# Altium PCB HYPNOSIA_controller_V1.PcbDoc (part 1 of 2)
Units mm, origin at the board's own origin, x right, y up, seen from the top; angles counter-clockwise.
Board outline 120 x 66 mm, 4 copper layers (Top Layer, Internal Plane 1, Internal Plane 2, Bottom Layer), stack 1.57 mm thick; 120 components, 131 nets, 566 pads, 166 vias.
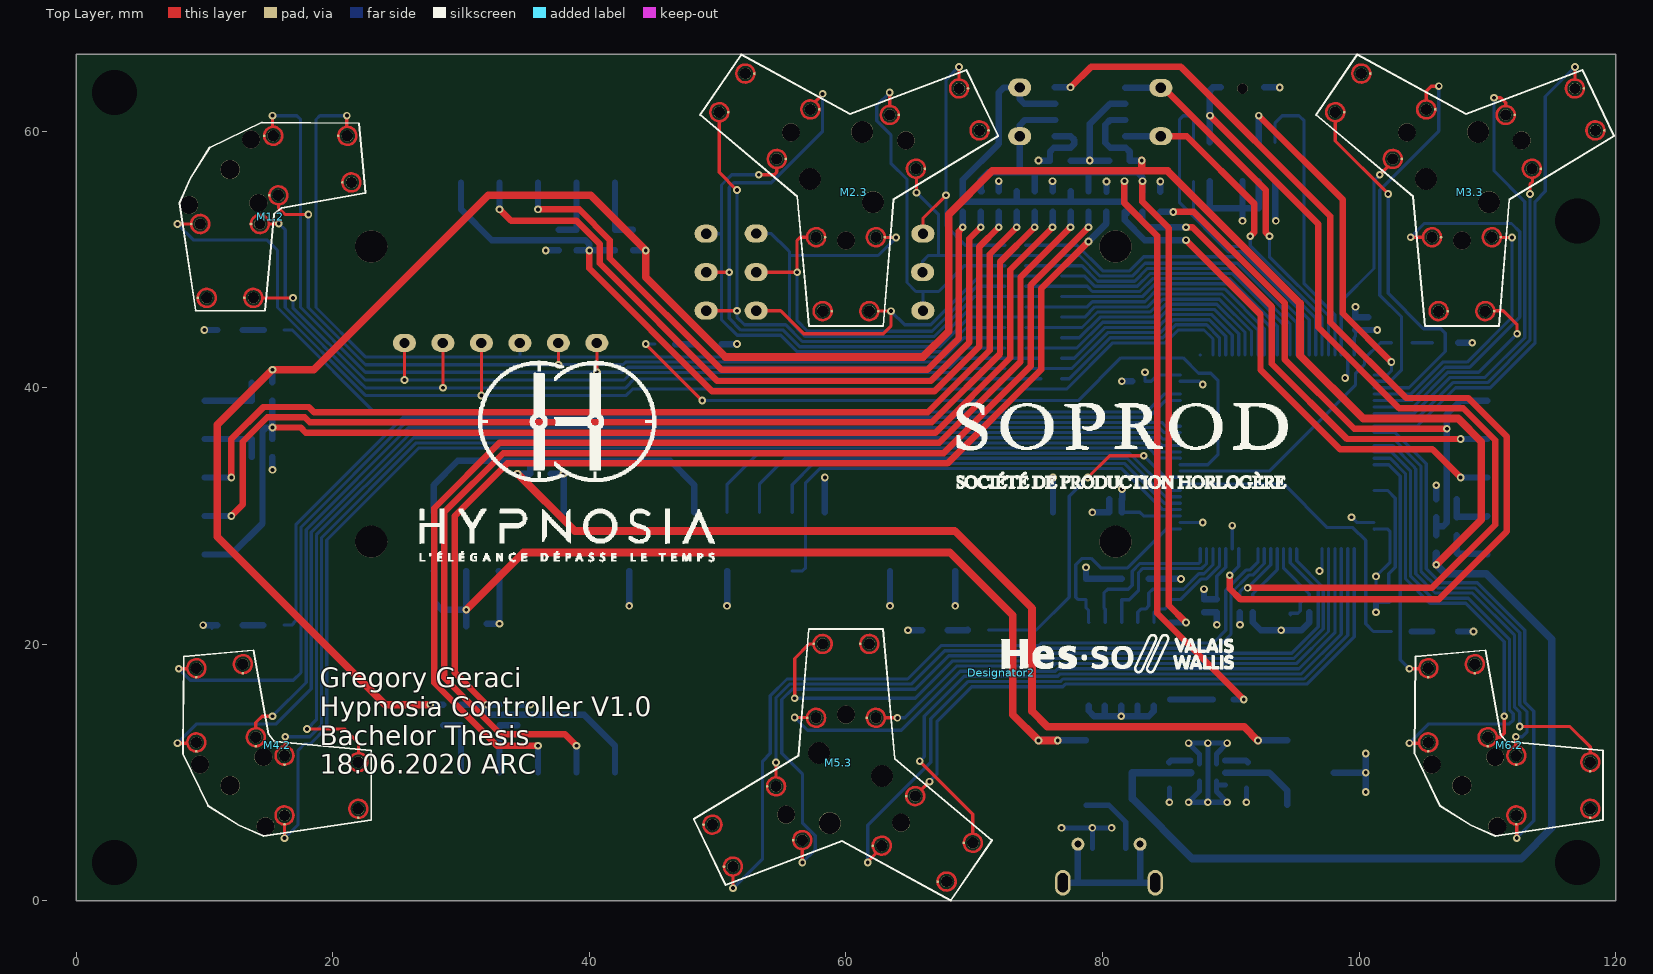
[diagram p0: Top Layer view]
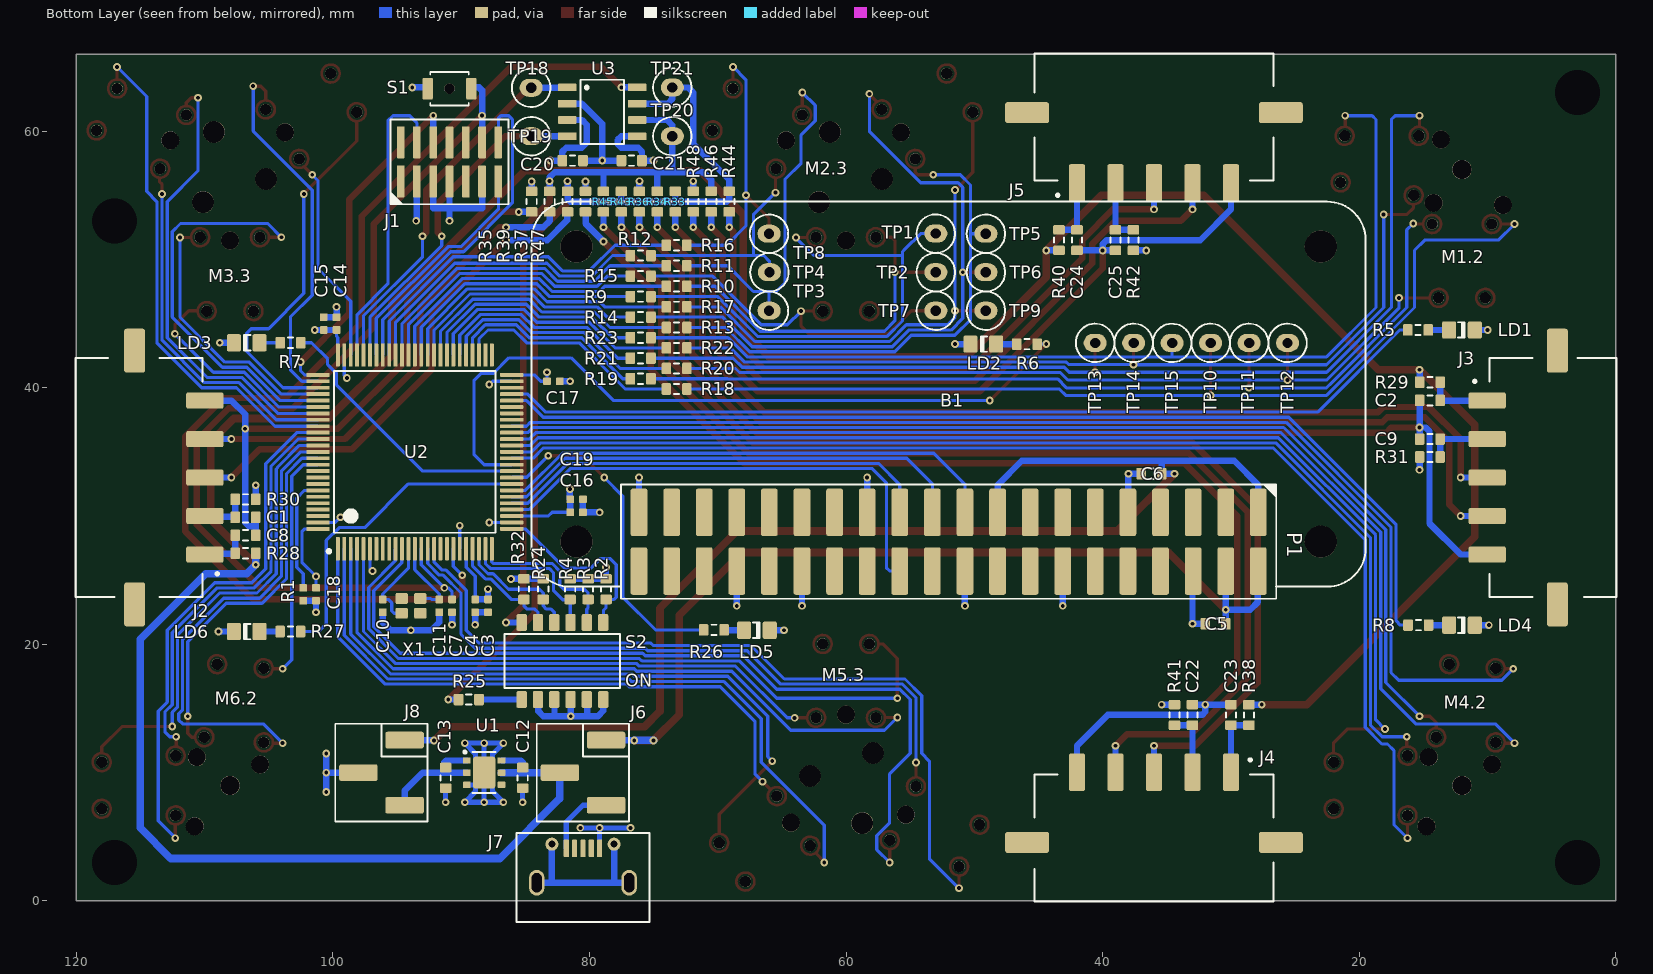
[diagram p1: Bottom Layer view, seen from below]
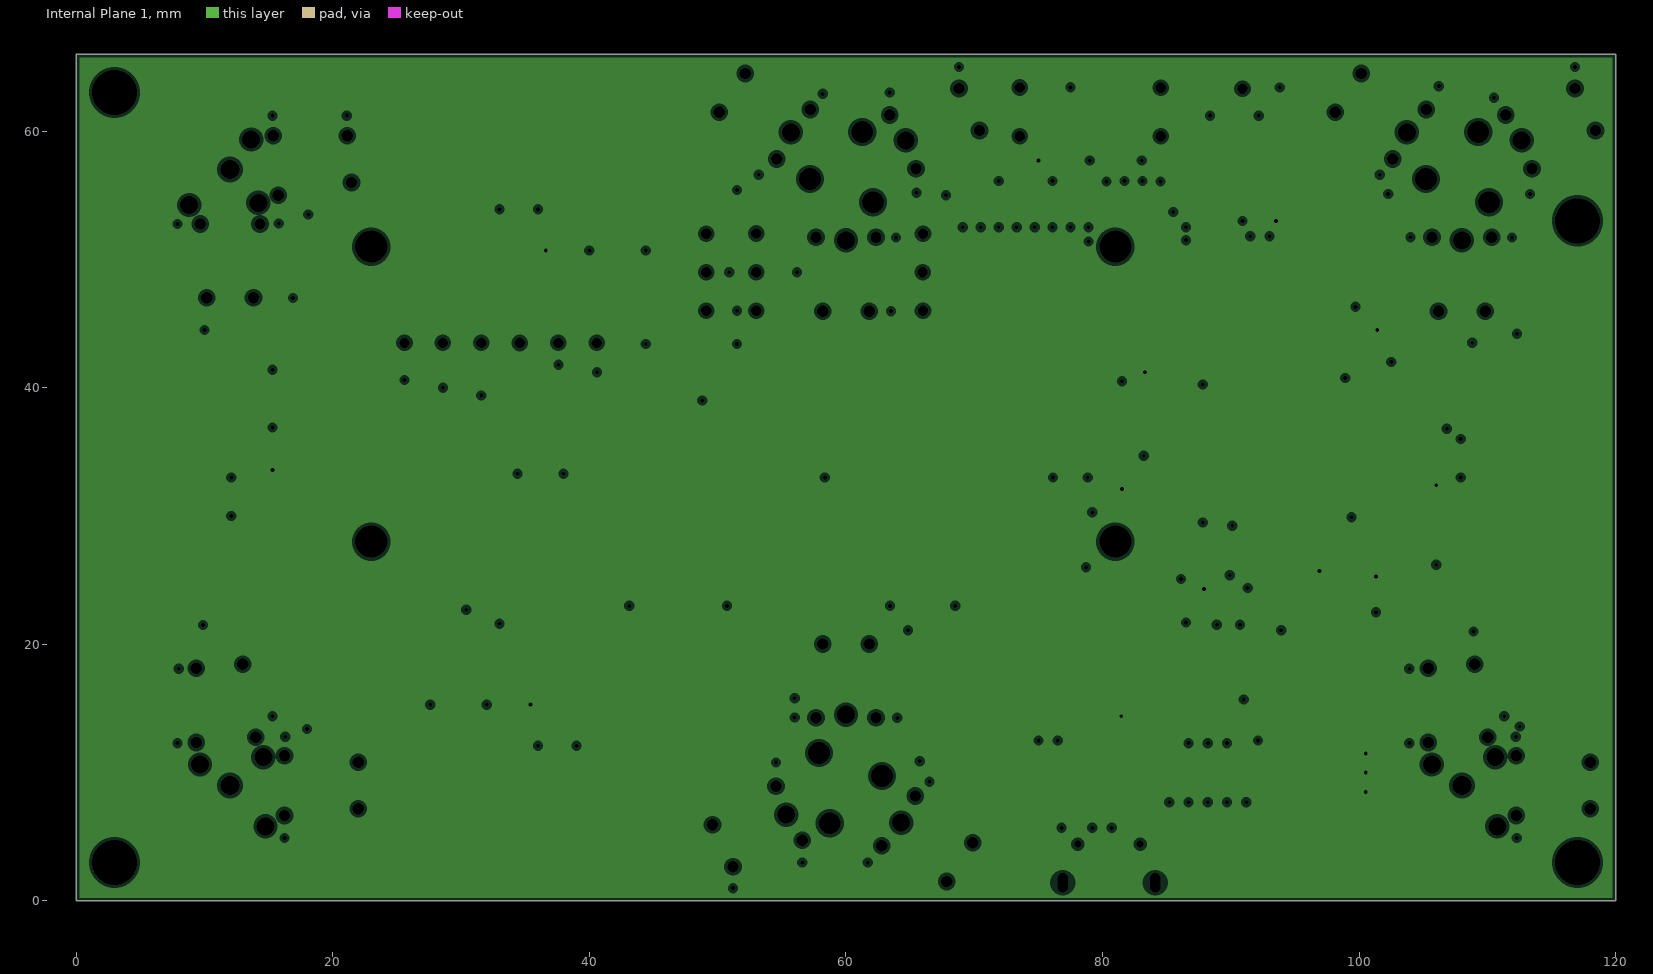
[diagram p2: Internal Plane 1, clearances drawn from the general rule]
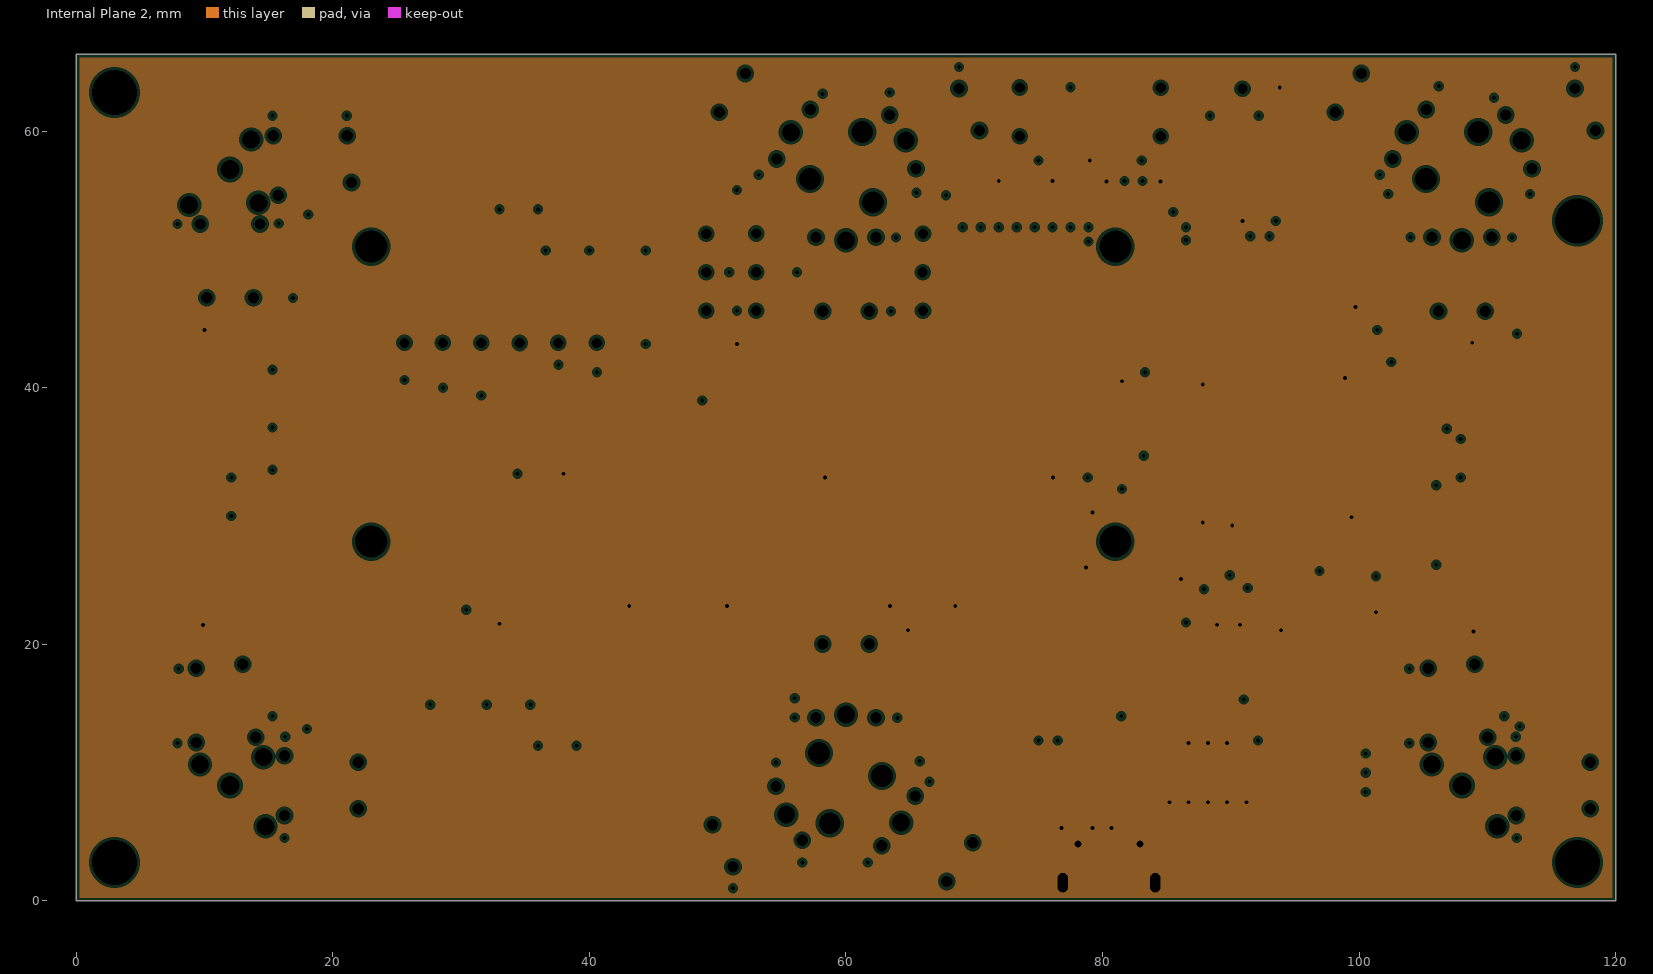
[diagram p3: Internal Plane 2, clearances drawn from the general rule]
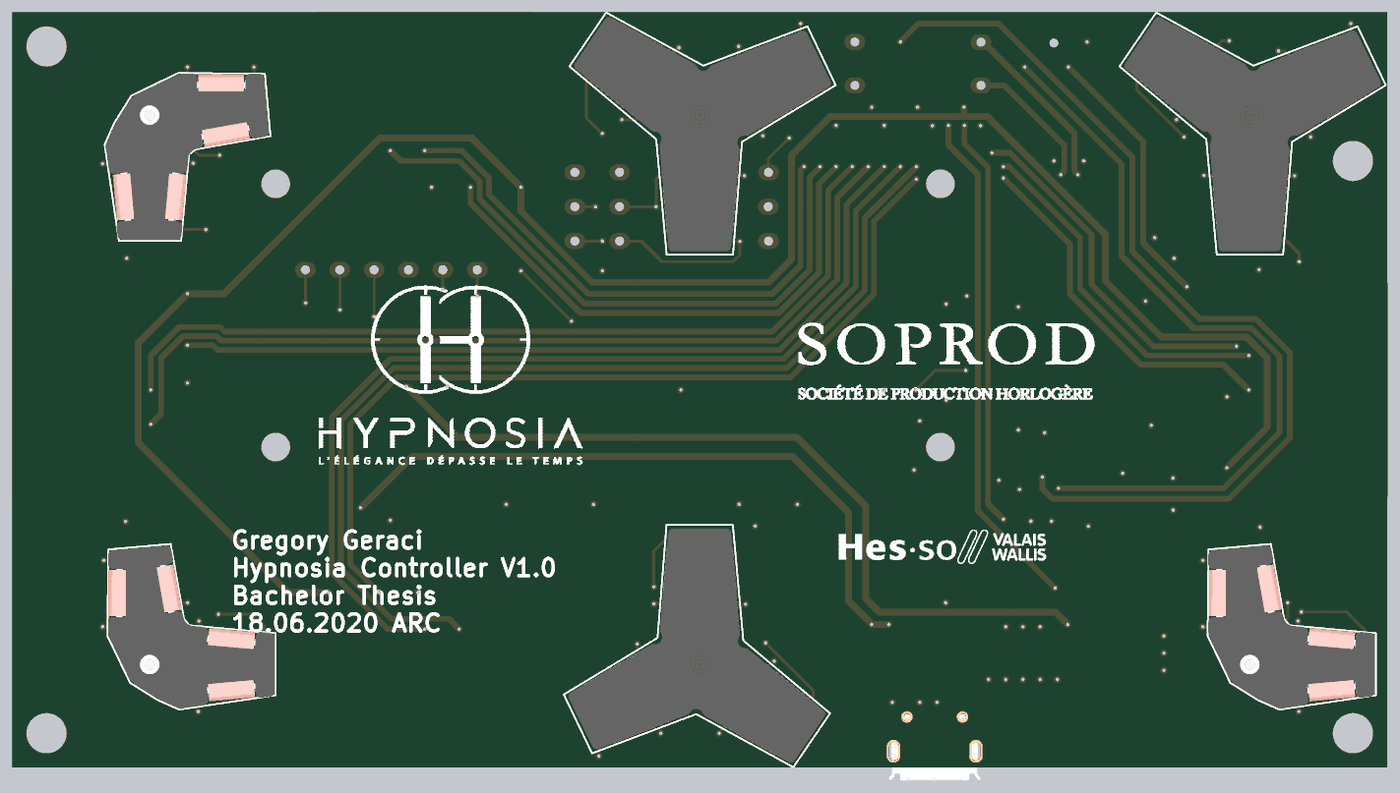
[diagram p5: 3D render of the assembled board from above, using the file's embedded part models]
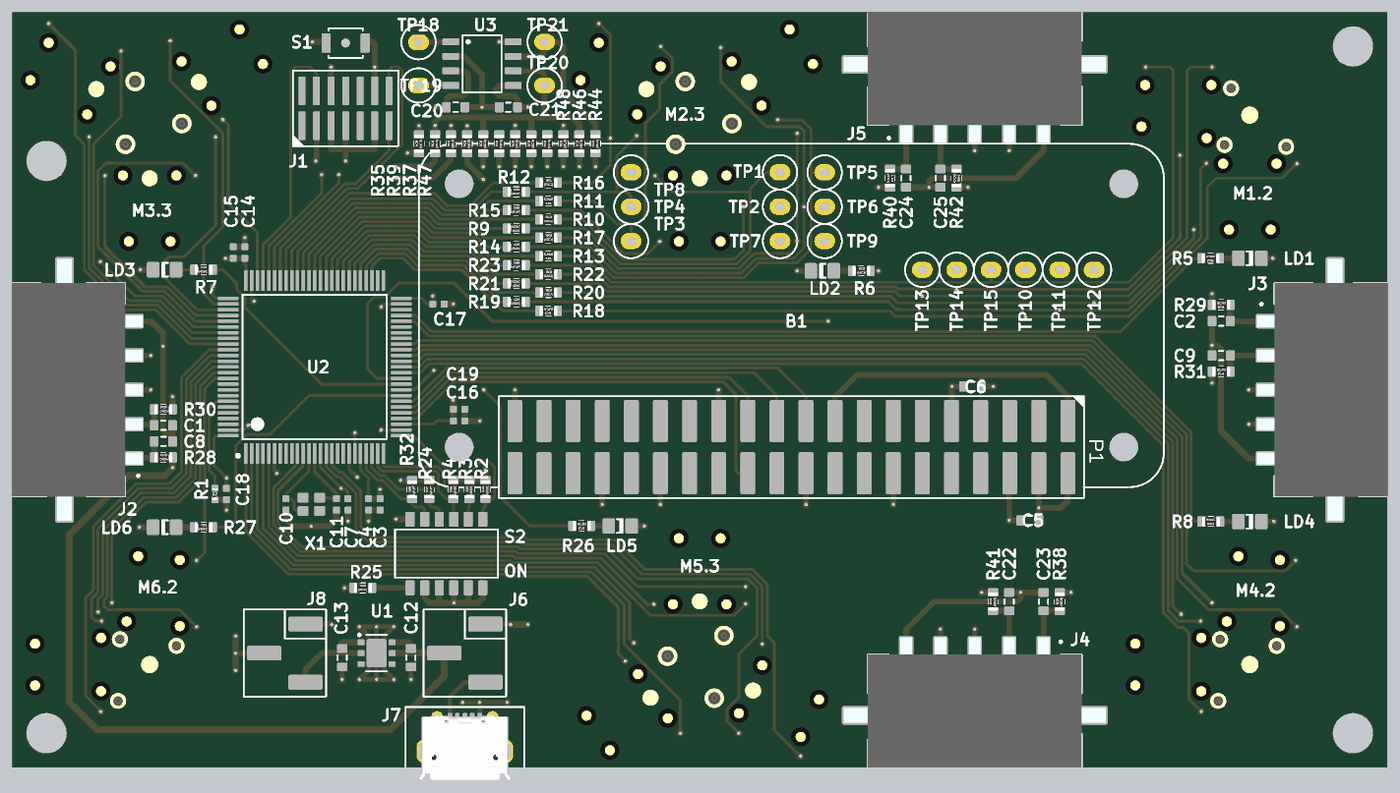
[diagram p6: 3D render of the assembled board from below, using the file's embedded part models]

## Layer stack, top to bottom
Top Solder: solder mask 0.1, Solder Resist, Dk 3.5
Top Layer: signal copper 0.035
Dielectric 1: core 0.36, FR-4, Dk 4.2
Internal Plane 1: plane copper 0.035, net 3v3
Dielectric 3: prepreg 0.71, Dk 4.2
Internal Plane 2: plane copper 0.035, net GND
Dielectric 2: core 0.36, Dk 4.2
Bottom Layer: signal copper 0.035
Bottom Solder: solder mask 0.1, Solder Resist, Dk 3.5

## Board outline
0,0 0,66 120,66 120,0

## Design rules (kind name [scope] priority, off if disabled: settings)
AcuteAngle [All] p1: minimum=9.00000000000000E+0001 checktracksonly=TRUE
AssemblyTestPointUsage [All] p1 off:
AssemblyTestpoint [All] p1 off: testpointundercomponent=TRUE minsize=1.016 maxsize=2.54 preferedsize=1.524 minholesize=0 maxholesize=1.016 preferedholesize=0.813 testpointgrid=0.025 usegrid=TRUE gridtolerance=0 allowsidetop=TRUE allowsidebottom=TRUE
BoardOutlineClearance [All] p1: gap=0.25 ignorepadtopadclearanceinfootprint=FALSE
Clearance [All] p1: gap=0.15 ignorepadtopadclearanceinfootprint=FALSE
ComponentClearance [All] p1: gap=0.25 collisioncheckmode=3 verticalgap=0.25 showdistances=FALSE
DiffPairsRouting [All] p1 off: maxlimit=0.254 minlimit=0.254 mostfreqgap=0.254 toplayer_minwidth=0.381 toplayer_maxwidth=0.381 toplayer_prefwidth=0.381 bottomlayer_minwidth=0.381 bottomlayer_maxwidth=0.381 bottomlayer_prefwidth=0.381 maxuncoupledlength=12.7
FabricationTestPointUsage [All] p1 off: valid=0 allowmultiple=FALSE
FabricationTestpoint [All] p1 off: side=3 testpointundercomponent=TRUE minsize=1.016 maxsize=2.54 preferedsize=1.524 minholesize=0 maxholesize=1.016 preferedholesize=0.813 testpointgrid=0.025 allowsidetop=TRUE allowsidebottom=TRUE usegrid=TRUE gridtolerance=0
FanoutControl Fanout_BGA [IsBGA] p1 off: bgadir=Out bgaviamode=Centered fanoutstyle=Auto fanoutdirection=Alternating viagrid=0.025 // Fanout_BGA (Default Rule)
FanoutControl Fanout_LCC [IsLCC] p2 off: bgadir=Out bgaviamode=Centered fanoutstyle=Auto fanoutdirection=Alternating viagrid=0.025 // Fanout_LCC (Default Rule)
FanoutControl Fanout_SOIC [IsSOIC] p3 off: bgadir=Out bgaviamode=Centered fanoutstyle=Auto fanoutdirection=Alternating viagrid=0.025 // Fanout_SOIC (Default Rule)
FanoutControl Fanout_Small [(CompPinCount < 5)] p4 off: bgadir=Out bgaviamode=Centered fanoutstyle=Auto fanoutdirection=OutThenIn viagrid=0.025 // Fanout_Small (Default Rule)
FanoutControl Fanout_Default [All] p5 off: bgadir=Out bgaviamode=Centered fanoutstyle=Auto fanoutdirection=Alternating viagrid=0.025 // Fanout_Default (Default Rule)
Height [All] p1 off: minheight=0 maxheight=25.4 prefheight=12.7
HoleSize [All] p1: absolutevalues=TRUE maxlimit=3 minlimit=0.35 maxpercent=80.000 minpercent=20.000
HoleToHoleClearance [All] p1: gap=0.25 allowstackedmicrovias=TRUE
MinimumAnnularRing [All] p1: minimumring=0.175
MinimumSolderMaskSliver [All] p1 off: minsoldermaskwidth=0
PlaneClearance [All] p1: clearance=0.25
PlaneConnect [All] p1: planeconnectstyle=Relief reliefexpansion=0.5 reliefentries=4 reliefconductorwidth=0.25 reliefairgap=0.25
PolygonConnect [All] p1: connectstyle=Relief reliefconductorwidth=0.25 reliefentries=4 polygonreliefangle="90 Angle" airgapwidth=0.25
RoutingCorners [All] p1 off: cornerstyle=45-Degree minsetback=2.5 maxsetback=2.5
RoutingLayers [All] p1 off: top layer_v5=TRUE bottom layer_v5=TRUE
RoutingPriority [All] p1 off: routingpriority=0
RoutingTopology [All] p1 off: topology=Shortest
RoutingVias [All] p1: holewidth=0.25 width=0.6 viastyle="Through Hole" minholewidth=0.15 minwidth=0.5 maxholewidth=0.9 maxwidth=1.5
SilkToBoardRegionClearance [All] p1 off:
SilkToSilkClearance [All] p1 off: silktosilkclearance=0
SilkToSolderMaskClearance [IsPad] p1 off: minsilkscreentomaskgap=0 clearancetoexposedcopper=TRUE
SolderMaskExpansion [All] p1: expansion=0
Width [All] p1: maxlimit=4 minlimit=0.15 preferedwidth=0.25
6 further rules are at their usual default settings.

## Classes and differential pairs
component class HYPNOSIA_controller_V1: B1 C1 C2 C3 C4 C5 C6 C7 C8 C9 C10 C11 C12 C13 C14 C15 C16 C17 C18 C19 C20 C21 C22 C23 C24 C25 J1 J2 J3 J4 J5 J6 J7 J8 R1 R2 R3 R4 R24 R25 R28 R29 R30 R31 R32 R33 R34 R35 R36 R37 R38 R39 R40 R41 R42 R43 R44 R45 R46 R47 R48 S1 S2 TP18 TP19 TP20 TP21 U1 U2 U3 X1
component class HYPNOSIA_controller_V1bis: LD1 LD2 LD3 LD4 LD5 LD6 M1.2 M2.3 M3.3 M4.2 M5.3 M6.2 R5 R6 R7 R8 R9 R10 R11 R12 R13 R14 R15 R16 R17 R18 R19 R20 R21 R22 R23 R26 R27 TP1 TP2 TP3 TP4 TP5 TP6 TP7 TP8 TP9 TP10 TP11 TP12 TP13 TP14 TP15

## Components (designator, comment, footprint, x,y, rotation, side; value= is the part's Value field where it differs from the comment)
B1 "Raspberry Pi Zero Socket" "Raspberry Pi Zero Socket SMD" 52,28 r0 bottom locked
C1 "" "CAPACITOR 1608 REFLOW" 106.8,29.9 r0 bottom value=100nF
C2 "" "CAPACITOR 1608 REFLOW" 14.5,39.008 r180 bottom value=100nF
C3 "" "CAPACITOR 1005 REFLOW" 87.9,23 r90 bottom value=10nF
C4 "" "CAPACITOR 1005 REFLOW" 88.9,23 r90 bottom value=1uF
C5 "" "CAPACITOR 1608 REFLOW" 31.2,21.6 r0 bottom value=100nF
C6 "" "CAPACITOR 1608 REFLOW" 36.2,33.3 r180 bottom value=100nF
C7 "" "CAPACITOR 1005 REFLOW" 90.7,23 r90 bottom value=100nF
C8 "" "CAPACITOR 1608 REFLOW" 106.8,28.5 r0 bottom value=100nF
C9 "" "CAPACITOR 1608 REFLOW" 14.5,36 r180 bottom value=100nF
C10 "" "CAPACITOR 1005 REFLOW" 96.1,23 r270 bottom value=12pF
C11 "" "CAPACITOR 1005 REFLOW" 91.7,23 r270 bottom value=12pF
C12 "" "CAPACITOR 1608 REFLOW" 85.2,9.6 r90 bottom value=10uF
C13 "" "CAPACITOR 1608 REFLOW" 91.2,9.6 r90 bottom value=10uF
C14 "" "CAPACITOR 1005 REFLOW" 99.7,45 r270 bottom value=100nF
C15 "" "CAPACITOR 1005 REFLOW" 100.7,45 r270 bottom value=4.7uF
C16 "" "CAPACITOR 1005 REFLOW" 81,30.286 r0 bottom value=100nF
C17 "" "CAPACITOR 1005 REFLOW" 82.8,40.5 r0 bottom value=100nF
C18 "" "CAPACITOR 1005 REFLOW" 101.3,23.9 r90 bottom value=100nF
C19 "" "CAPACITOR 1005 REFLOW" 81,31.3 r0 bottom value=4.7uF
C20 "" "CAPACITOR 1608 REFLOW" 81.3,57.7 r0 bottom value=100nF
C21 "" "CAPACITOR 1608 REFLOW" 76.7,57.699 r180 bottom value=100nF
C22 "" "CAPACITOR 1608 REFLOW" 33,14.5 r270 bottom value=100nF
C23 "" "CAPACITOR 1608 REFLOW" 30,14.5 r270 bottom value=100nF
C24 "" "CAPACITOR 1608 REFLOW" 42,51.5 r90 bottom value=100nF
C25 "" "CAPACITOR 1608 REFLOW" 39,51.5 r90 bottom value=100nF
Designator2 "Comment" "HES-SO_3 Top Layer" 72.1,17.8 r0 top
J1 "*" "PinHeader2x7 P1.27 SMD H5.9" 90.9,57.6 r180 bottom
J2 "43650-0512" "MOLEX 43650-0512" 115,33 r270 bottom locked
J3 "43650-0512" "MOLEX 43650-0512" 5,33 r90 bottom
J4 "43650-0512" "MOLEX 43650-0512" 36,5 r180 bottom locked
J5 "43650-0512" "MOLEX 43650-0512" 36,61 r0 bottom locked
J6 "*" "PinHeader1x3 P2.54 A SMD" 80.5,10.001 r270 bottom
J7 "USB-MICRO-B" "USB-MICRO-B HIROSE ZX62D-B-5PA8" 80.5,4.1 r180 bottom
J8 "*" "PinHeader1x3 P2.54 A SMD" 96.2,10 r270 bottom
LD1 "TBR" "LED 2012 REFLOW" 12,44.5 r0 bottom value=Blue
LD2 "TBR" "LED 2012 REFLOW" 49.3,43.4 r180 bottom value=Blue
LD3 "TBR" "LED 2012 REFLOW" 106.7,43.5 r180 bottom value=Blue
LD4 "TBR" "LED 2012 REFLOW" 12,21.5 r0 bottom value=Blue
LD5 "TBR" "LED 2012 REFLOW" 66.94,21.1 r0 bottom value=Blue
LD6 "TBR" "LED 2012 REFLOW" 106.7,21 r180 bottom value=Blue
M1.2 "GB3MV2.2" GB2MV2.1 12,57 r0 top locked
M2.3 "GB3MV2.2" GB3MV2.2 60,57 r180 top locked
M3.3 "GB3MV2.2" GB3MV2.2 108,57 r180 top locked
M4.2 "GB3MV2.2" GB2MV2.1 12,9 r90 top locked
M5.3 "GB3MV2.2" GB3MV2.2 60,9 r0 top locked
M6.2 "GB3MV2.2" GB2MV2.1 108,9 r90 top locked
R1 "DNF" "RESISTOR 1005 REFLOW" 102.3,23.9 r90 bottom value=0
R2 "" "RESISTOR 1608 REFLOW" 78.7,24.3 r90 bottom value=10k
R3 "" "RESISTOR 1608 REFLOW" 80.1,24.3 r90 bottom value=10k
R4 "" "RESISTOR 1608 REFLOW" 81.5,24.3 r90 bottom value=10k
R5 "TBR" "RESISTOR 1608 REFLOW" 15.424,44.5 r0 bottom value=270
R6 "TBR" "RESISTOR 1608 REFLOW" 45.9,43.4 r180 bottom value=270
R7 "TBR" "RESISTOR 1608 REFLOW" 103.3,43.5 r180 bottom value=270
R8 "TBR" "RESISTOR 1608 REFLOW" 15.4,21.5 r0 bottom value=270
R9 "DNF" "RESISTOR 1608 REFLOW" 76,47.1 r0 bottom value=0
R10 "DNF" "RESISTOR 1608 REFLOW" 73.2,47.9 r180 bottom value=0
R11 "DNF" "RESISTOR 1608 REFLOW" 73.2,49.5 r0 bottom value=0
R12 "DNF" "RESISTOR 1608 REFLOW" 76,50.3 r180 bottom value=0
R13 "DNF" "RESISTOR 1608 REFLOW" 73.2,44.692 r0 bottom value=0
R14 "DNF" "RESISTOR 1608 REFLOW" 76,45.5 r180 bottom value=0
R15 "DNF" "RESISTOR 1608 REFLOW" 76,48.7 r180 bottom value=0
R16 "DNF" "RESISTOR 1608 REFLOW" 73.2,51.1 r180 bottom value=0
R17 "DNF" "RESISTOR 1608 REFLOW" 73.2,46.3 r180 bottom value=0
R18 "DNF" "RESISTOR 1608 REFLOW" 73.2,39.9 r0 bottom value=0
R19 "DNF" "RESISTOR 1608 REFLOW" 76,40.7 r180 bottom value=0
R20 "DNF" "RESISTOR 1608 REFLOW" 73.2,41.5 r180 bottom value=0
R21 "DNF" "RESISTOR 1608 REFLOW" 76,42.3 r0 bottom value=0
R22 "DNF" "RESISTOR 1608 REFLOW" 73.2,43.1 r180 bottom value=0
R23 "DNF" "RESISTOR 1608 REFLOW" 76,43.892 r180 bottom value=0
R24 "" "RESISTOR 1608 REFLOW" 83.6,24.3 r90 bottom value=10k
R25 "" "RESISTOR 1608 REFLOW" 89.4,15.7 r180 bottom value=120
R26 "TBR" "RESISTOR 1608 REFLOW" 70.3,21.127 r0 bottom value=270
R27 "TBR" "RESISTOR 1608 REFLOW" 103.3,21 r180 bottom value=270
R28 "DNF" "RESISTOR 1608 REFLOW" 106.8,27.1 r180 bottom value=0
R29 "DNF" "RESISTOR 1608 REFLOW" 14.5,40.43 r0 bottom value=0
R30 "DNF" "RESISTOR 1608 REFLOW" 106.8,31.3 r180 bottom value=0
R31 "DNF" "RESISTOR 1608 REFLOW" 14.5,34.6 r0 bottom value=0
R32 "" "RESISTOR 1608 REFLOW" 85.1,24.3 r90 bottom value=10k
R33 "DNF" "RESISTOR 1608 REFLOW" 73.3,54.5 r90 bottom value=0
R34 "DNF" "RESISTOR 1608 REFLOW" 74.7,54.5 r90 bottom value=0
R35 "DNF" "RESISTOR 1608 REFLOW" 84.5,54.5 r90 bottom value=0
R36 "DNF" "RESISTOR 1608 REFLOW" 76.1,54.5 r90 bottom value=0
R37 "DNF" "RESISTOR 1608 REFLOW" 81.7,54.5 r90 bottom value=0
R38 "DNF" "RESISTOR 1608 REFLOW" 28.6,14.5 r90 bottom value=0
R39 "DNF" "RESISTOR 1608 REFLOW" 83.1,54.5 r90 bottom value=0
R40 "DNF" "RESISTOR 1608 REFLOW" 43.4,51.5 r270 bottom value=0
R41 "DNF" "RESISTOR 1608 REFLOW" 34.4,14.5 r90 bottom value=0
R42 "DNF" "RESISTOR 1608 REFLOW" 37.6,51.5 r270 bottom value=0
R43 "DNF" "RESISTOR 1608 REFLOW" 77.5,54.5 r90 bottom value=0
R44 "DNF" "RESISTOR 1608 REFLOW" 69.1,54.5 r90 bottom value=0
R45 "DNF" "RESISTOR 1608 REFLOW" 78.9,54.5 r90 bottom value=0
R46 "DNF" "RESISTOR 1608 REFLOW" 70.5,54.5 r90 bottom value=0
R47 "DNF" "RESISTOR 1608 REFLOW" 80.3,54.5 r90 bottom value=0
R48 "DNF" "RESISTOR 1608 REFLOW" 71.9,54.5 r90 bottom value=0
S1 "*" "Push Button C2.5X3.0 OMRON B3U-1000P(M)-B" 90.9,63.3 r180 bottom
S2 "*" "DIP SWITCH MULTICOMP  MCDHN-06F" 82.1,18.7 r0 bottom
TP1 "*" "Test Point Keystone Miniature RED" 53,52.013 r90 bottom
TP2 "*" "Test Point Keystone Miniature RED" 53,49 r270 bottom
TP3 "*" "Test Point Keystone Miniature RED" 66,46 r270 bottom
TP4 "*" "Test Point Keystone Miniature RED" 65.97,49 r270 bottom
TP5 "*" "Test Point Keystone Miniature RED" 49.1,52 r90 bottom
TP6 "*" "Test Point Keystone Miniature RED" 49.1,49 r270 bottom
TP7 "*" "Test Point Keystone Miniature RED" 53,46 r90 bottom
TP8 "*" "Test Point Keystone Miniature RED" 66,52 r270 bottom
TP9 "*" "Test Point Keystone Miniature RED" 49.1,46 r90 bottom
TP10 "*" "Test Point Keystone Miniature RED" 31.585,43.492 r270 bottom
TP11 "*" "Test Point Keystone Miniature RED" 28.585,43.492 r90 bottom
TP12 "*" "Test Point Keystone Miniature RED" 25.593,43.492 r90 bottom
TP13 "*" "Test Point Keystone Miniature RED" 40.585,43.492 r270 bottom
TP14 "*" "Test Point Keystone Miniature RED" 37.585,43.492 r270 bottom
TP15 "*" "Test Point Keystone Miniature RED" 34.585,43.488 r270 bottom
TP18 "*" "Test Point Keystone Miniature RED" 84.536,63.374 r270 bottom
TP19 "*" "Test Point Keystone Miniature RED" 84.536,59.599 r90 bottom
TP20 "*" "Test Point Keystone Miniature RED" 73.536,59.599 r90 bottom
TP21 "*" "Test Point Keystone Miniature RED" 73.536,63.394 r270 bottom
U1 "LD39200PU" "DFN6 P0.95 T1.75X2.50 C3.0X3.0 H1.0" 88.2,10.001 r180 bottom
U2 "STM32F072V8T6" "LQFP100 P0.5 C14.0X14.0 H1.6" 93.6,35 r90 bottom
U3 "=Value" "SO8 P1.27 C4.0X5.0 H1.75" 79,61.5 r180 bottom
X1 "16MHz" "Crystal C2.5x2 Seiko Epson FA-128" 93.9,23 r0 bottom

## Footprints (in the part's own frame and the unit in brackets; to place one, negate y for a bottom-side part, rotate by r counter-clockwise, add the part's x,y. Pads: shape width x height; smd on the part's side, far side on the other; paste and mask are expansions set on the pad)
"CAPACITOR 1005 REFLOW" [mm] "Capacitor SMD 1.0x0.5mm (0402-imperial)"
  rrect25% 0.6x0.6 smd: 1(-0.5,0) 2(0.5,0)
  body extent -0.5,-0.25 0.5,0.25, height 0.5
"CAPACITOR 1608 REFLOW" [mm] "Capacitor SMD 1.6x0.8mm (0603-imperial)"
  rrect25% 0.75x0.9 smd: 1(-0.8,0) 2(0.8,0)
  silkscreen extent -0.2,-0.4 0.2,0.4, body extent -0.8,-0.4 0.8,0.4, height 0.8
"Crystal C2.5x2 Seiko Epson FA-128" [mm] "Crystal Seiko Epson FA-128, Case 2.0x1.6, Height 0.5"
  rrect25% 0.95x0.85 smd: 1(-0.725,-0.575) 2(0.725,-0.575) 3(0.725,0.575) 4(-0.725,0.575)
  body extent -1,-0.8 1,0.8, height 0.5
"DFN6 P0.95 T1.75X2.50 C3.0X3.0 H1.0" [mm] "DFN6 P0.95 T1.75X2.50 C3.0X3.0 H1.0"
  rrect25% 0.6x0.5 smd: 1(-1.35,0.95) 2(-1.35,0) 3(-1.35,-0.95) 4(1.35,-0.95) 5(1.35,0) 6(1.35,0.95)
  rrect25% 1.75x2.5 smd: 7(0,0)
  silkscreen extent -1.6,-1.6 0.9,1.7, body extent -1.5,-1.5 1.5,1.5, height 1.1
"DIP SWITCH MULTICOMP  MCDHN-06F" [mm] "DIP SWITCH MULTICOMP  MCDHN-06F, P1.27"
  rrect25% 0.8x1.3 smd: 1(-3.175,-3) 2(-3.175,3) 3(-1.905,-3) 4(-1.905,3) 5(-0.635,-3) 6(-0.635,3) 7(0.635,-3) 8(0.635,3) 9(1.905,-3) 10(1.905,3) 11(3.175,-3) 12(3.175,3)
  silkscreen extent -4.5,-2.1 4.5,2.1, body extent -4.5,-2.25 4.5,2.25, height 1.46
GB2MV2.1 [mm] "Soprod Gear Box, 2 motors 102.02.xxx, Option B"
  round 0.88 hole 0.88 unplated mask+0.4: 0(-2.33,-4.242) 0(-1.82,-10) 0(1.82,-10) 0(2.33,-4.242) 0(3.359,2.633) 0(3.765,-2.009) 0(9.139,2.627) 0(9.456,-1)
  round 0.2 smd: 1(-3.03,-4.242) 2(-2.52,-10) 3(1.12,-10) 4(1.63,-4.242) 5(2.659,2.633) 6(3.065,-2.009) 7(8.439,2.627) 8(8.756,-1)
  round 1.5 hole 1.5 unplated: 14(0,0)
  round 1.4 hole 1.4 unplated: A1(-3.182,-2.758) A2(1.637,2.344) A3(2.207,-2.596)
  Top Layer circle w0.2: c9.456,-1 r0.7
  Top Layer circle w0.2: c-1.82,-10 r0.7
  Top Layer circle w0.2: c1.82,-10 r0.7
  Top Layer circle w0.2: c-2.33,-4.242 r0.7
  Top Layer circle w0.2: c2.33,-4.242 r0.7
  Top Layer circle w0.2: c3.765,-2.009 r0.7
  Top Layer circle w0.2: c3.359,2.633 r0.7
  Top Layer circle w0.2: c9.139,2.627 r0.7
  silkscreen extent -3.94,-11 10.54,3.68, body extent -8.25,-13.45 13.41,8.21, height 4.4
GB3MV2.2 [mm] "Soprod Gear Box, 3 motors 103.02.xxx"
  round 0.88 hole 0.88 unplated mask+0.4: 0(-10.404,-3.049) 0(-8.808,-6.321) 0(-5.453,-0.067) 0(-3.41,-4.255) 0(-2.33,5.273) 0(-1.82,11.031) 0(1.82,11.031) 0(2.33,5.273) 0(2.784,-4.689) 0(5.39,-0.825) 0(7.843,-7.485) 0(9.878,-4.468)
  round 0.2 smd: 1(1.12,11.031) 2(-2.52,11.031) 3(-3.03,5.273) 4(1.63,5.273) 5(-11.104,-3.049) 6(-9.508,-6.321) 7(-4.11,-4.255) 8(-6.153,-0.067) 9(7.143,-7.485) 10(9.178,-4.468) 11(4.69,-0.825) 12(2.084,-4.689)
  round 1.4 hole 1.4 unplated: 14(4.295,-2.897) 16(0,5.523) 18(-4.656,-2.271)
  round 1.7 hole 1.7 unplated: 15(2.806,0.733) 17(-2.105,2.541) 19(-1.269,-2.938)
  Top Layer circle w0.2: c1.82,11.031 r0.7
  Top Layer circle w0.2: c-5.453,-0.067 r0.7
  Top Layer circle w0.2: c-10.404,-3.049 r0.7
  Top Layer circle w0.2: c-8.808,-6.321 r0.7
  Top Layer circle w0.2: c-3.41,-4.255 r0.7
  Top Layer circle w0.2: c2.784,-4.689 r0.7
  Top Layer circle w0.2: c7.843,-7.485 r0.7
  Top Layer circle w0.2: c9.878,-4.468 r0.7
  Top Layer circle w0.2: c2.33,5.273 r0.7
  Top Layer circle w0.2: c5.39,-0.825 r0.7
  Top Layer circle w0.2: c-1.82,11.031 r0.7
  Top Layer circle w0.2: c-2.33,5.273 r0.7
  silkscreen extent -11.86,-8.96 11.37,12.2, body extent -11.44,-8.57 10.95,11.89, height 5.35
"HES-SO_3 Top Layer" [mm] "HESSO LOGO 3mm on Top Layer"
  silkscreen extent 0.01,0 18.12,3
"LED 2012 REFLOW" [mm] "LED SMD 2.0x1.2mm (0805-imperial)"
  rrect25% 1.1x1.35 smd: 1(-1,0) 2(1,0)
  silkscreen extent -0.2,-0.6 0.3,0.6, body extent -1,-0.6 1,0.6, height 0.6
"LQFP100 P0.5 C14.0X14.0 H1.6" [mm] "Thin QFP, 100-Leads, Body 14x14mm, Pitch 0.5mm, IPC Medium Density"
  rrect25% 1.8x0.3 smd: 1(-7.55,6) 2(-7.55,5.5) 3(-7.55,5) 4(-7.55,4.5) 5(-7.55,4) 6(-7.55,3.5) 7(-7.55,3) 8(-7.55,2.5) 9(-7.55,2) 10(-7.55,1.5) 11(-7.55,1) 12(-7.55,0.5) 13(-7.55,0) 14(-7.55,-0.5) 15(-7.55,-1) 16(-7.55,-1.5) 17(-7.55,-2) 18(-7.55,-2.5) 19(-7.55,-3) 20(-7.55,-3.5) 21(-7.55,-4) 22(-7.55,-4.5) 23(-7.55,-5) 24(-7.55,-5.5) 25(-7.55,-6) 51(7.55,-6) 52(7.55,-5.5) 53(7.55,-5) 54(7.55,-4.5) 55(7.55,-4) 56(7.55,-3.5) 57(7.55,-3) 58(7.55,-2.5) 59(7.55,-2) 60(7.55,-1.5) 61(7.55,-1) 62(7.55,-0.5) 63(7.55,0) 64(7.55,0.5) 65(7.55,1) 66(7.55,1.5) 67(7.55,2) 68(7.55,2.5) 69(7.55,3) 70(7.55,3.5) 71(7.55,4) 72(7.55,4.5) 73(7.55,5) 74(7.55,5.5) 75(7.55,6)
  rrect25% 0.3x1.8 smd: 26(-6,-7.55) 27(-5.5,-7.55) 28(-5,-7.55) 29(-4.5,-7.55) 30(-4,-7.55) 31(-3.5,-7.55) 32(-3,-7.55) 33(-2.5,-7.55) 34(-2,-7.55) 35(-1.5,-7.55) 36(-1,-7.55) 37(-0.5,-7.55) 38(0,-7.55) 39(0.5,-7.55) 40(1,-7.55) 41(1.5,-7.55) 42(2,-7.55) 43(2.5,-7.55) 44(3,-7.55) 45(3.5,-7.55) 46(4,-7.55) 47(4.5,-7.55) 48(5,-7.55) 49(5.5,-7.55) 50(6,-7.55) 76(6,7.55) 77(5.5,7.55) 78(5,7.55) 79(4.5,7.55) 80(4,7.55) 81(3.5,7.55) 82(3,7.55) 83(2.5,7.55) 84(2,7.55) 85(1.5,7.55) 86(1,7.55) 87(0.5,7.55) 88(0,7.55) 89(-0.5,7.55) 90(-1,7.55) 91(-1.5,7.55) 92(-2,7.55) 93(-2.5,7.55) 94(-3,7.55) 95(-3.5,7.55) 96(-4,7.55) 97(-4.5,7.55) 98(-5,7.55) 99(-5.5,7.55) 100(-6,7.55)
  silkscreen extent -7.87,-6.3 6.3,6.83, body extent -7,-7 7,7, height 1.61
"MOLEX 43650-0512" [mm] "MicroFit RA HDR 5Ckt SR SMT w/SldTab"
  rrect25% 1.27x2.92 smd: 1(6,5.035) 2(3,5.035) 3(0,5.035) 4(-3,5.035) 5(-6,5.035)
  rrect25% 3.43x1.65 smd: 6(-9.885,-0.435) 7(9.885,-0.435)
  silkscreen extent -9.33,-5.03 9.33,6.1, body extent -11.44,-5.04 11.43,6.37, height 5.92
"PinHeader1x3 P2.54 A SMD" [mm] "Plug connector SMD"
  rrect25% 1.3x3 smd: 1(-2.54,1.8) 2(0,-1.8) 3(2.54,1.8)
  silkscreen extent -3.81,-3.6 3.81,3.6, body extent -3.81,-1.27 3.81,1.27, height 10.81
"PinHeader2x7 P1.27 SMD H5.9" [mm] "Plug connector"
  rrect25% 0.6x2.5 smd: 1(-3.81,-1.524) 2(-3.81,1.524) 3(-2.54,-1.524) 4(-2.54,1.524) 5(-1.27,-1.524) 6(-1.27,1.524) 7(0,-1.524) 8(0,1.524) 9(1.27,-1.524) 10(1.27,1.524) 11(2.54,-1.524) 12(2.54,1.524) 13(3.81,-1.524) 14(3.81,1.524)
  silkscreen extent -4.61,-3.31 4.6,3.3, body extent -4.44,-2.54 4.44,2.54, height 5.9
"Push Button C2.5X3.0 OMRON B3U-1000P(M)-B" [mm] "Push Button C2.5X3.0 OMRON B3U-1000P(M)-B"
  rrect25% 0.8x1.7 smd: 1(-1.7,0) 2(1.7,0)
  round 0.8 hole 0.8 unplated: 3(0,0)
  silkscreen extent -1.5,-1.3 1.5,1.3, body extent -1.5,-1.25 1.5,1.25, height 1.6
"Raspberry Pi Zero Socket SMD" [mm] "Raspberry Pi Zero Socket"
  round 2.5 hole 2.5: 0(-29,-23) 0(-29,0) 0(29,-23) 0(29,0)
  rrect25% 1.3x3.7 smd: 1(-24.13,-2.286) 2(-24.13,2.286) 3(-21.59,-2.286) 4(-21.59,2.286) 5(-19.05,-2.286) 6(-19.05,2.286) 7(-16.51,-2.286) 8(-16.51,2.286) 9(-13.97,-2.286) 10(-13.97,2.286) 11(-11.43,-2.286) 12(-11.43,2.286) 13(-8.89,-2.286) 14(-8.89,2.286) 15(-6.35,-2.286) 16(-6.35,2.286) 17(-3.81,-2.286) 18(-3.81,2.286) 19(-1.27,-2.286) 20(-1.27,2.286) 21(1.27,-2.286) 22(1.27,2.286) 23(3.81,-2.286) 24(3.81,2.286) 25(6.35,-2.286) 26(6.35,2.286) 27(8.89,-2.286) 28(8.89,2.286) 29(11.43,-2.286) 30(11.43,2.286) 31(13.97,-2.286) 32(13.97,2.286) 33(16.51,-2.286) 34(16.51,2.286) 35(19.05,-2.286) 36(19.05,2.286) 37(21.59,-2.286) 38(21.59,2.286) 39(24.13,-2.286) 40(24.13,2.286)
  silkscreen extent -32.5,-26.5 32.5,4.44, body extent -25.4,-3.43 25.4,3.43, height 8.5
"RESISTOR 1005 REFLOW" [mm] "Resistor SMD 1.0x0.5mm (0402-imperial)"
  rrect25% 0.6x0.6 smd: 1(-0.5,0) 2(0.5,0)
  body extent -0.5,-0.25 0.5,0.5, height 25
"RESISTOR 1608 REFLOW" [mm] "Resistor SMD 1.6x0.8mm (0603-imperial)"
  rrect25% 0.75x0.9 smd: 1(-0.8,0) 2(0.8,0)
  silkscreen extent -0.2,-0.4 0.2,0.4, body extent -0.77,-0.42 0.78,0.43, height 0.45
"SO8 P1.27 C4.0X5.0 H1.75" [mm] "8-Pin Small Outline Integrated Circuit 1.27 mm Pitch, IPC Medium Density"
  rrect25% 1.45x0.6 smd: 1(-2.725,1.905) 2(-2.725,0.635) 3(-2.725,-0.635) 4(-2.725,-1.905) 5(2.725,-1.905) 6(2.725,-0.635) 7(2.725,0.635) 8(2.725,1.905)
  silkscreen extent -1.7,-2.5 1.7,2.5, body extent -2,-2.5 2,2.5, height 1.76
"Test Point Keystone Miniature RED" [mm] "Test Point Keystone Miniature RED"
  oval 1.4x1.8 hole 0.8 mask+0: 1(0,0)
  silkscreen extent -1.5,-1.5 1.5,1.5, body extent -1.25,-1.25 1.25,1.25, height 4.99
"USB-MICRO-B HIROSE ZX62D-B-5PA8" [mm] "USB-MICRO-B HIROSE nr. ZX62D-B-5PA8"
  rrect25% 0.4x1.35 smd: 1(-1.3,0) 2(-0.65,0) 3(0,0) 4(0.65,0) 5(1.3,0)
  round 1.016 hole 0.55: 6(2.425,0.325) 9(-2.425,0.325)
  oval 1.2x2 hole 0.8 slot 1.5 at 90 deg: 7(3.6,-2.675) 8(-3.6,-2.675)
  silkscreen extent -5.18,-5.72 5.18,1.2, body extent -4.05,-5.25 4.05,0.55, height 2.79

## Part data
B1: "Small single-board computer"
C1 C2 C3 C4 C5 C6 C7 C8 C9 C10 C11 C12 C13 C14 C15 C16 C17 C18 C19 C20 C21 C22 C23 C24 C25: library part Capacitor, "Capacitor"
J1: library part PinHeader2x7, "Plug connector"
J2 J3 J4 J5: library part "MOLEX 43650-0512", "MicroFit RA HDR 5Ckt SR SMT w/SldTab", Manufacturer=Molex, Mouser No=538-43650-0512
J6 J8: library part PinHeader1x3, "Plug connector"
J7: library part "USB-MICRO-B HIROSE ZX62D-B-5PA8", "USB-MICRO-B HIROSE ZX62D-B-5PA8"
LD1 LD2 LD3 LD4 LD5 LD6: library part LED, "LED generic"
M1.2 M4.2 M6.2: library part GB2MV2.1, "Soprod Gear Box, 2 motors 102.02.xxx"
M2.3 M3.3 M5.3: "Soprod Gear Box, 3 motors 103.02.xxx"
R1 R2 R3 R4 R5 R6 R7 R8 R9 R10 R11 R12 R13 R14 R15 R16 R17 R18 R19 R20 R21 R22 R23 R24 R25 R26 R27 R28 R29 R30 R31 R32 R33 R34 R35 R36 R37 R38 R39 R40 R41 R42 R43 R44 R45 R46 R47 R48: library part Resistor, "Resistor"
S1: library part "Push Button 2Pins", "Push Button, 2 pins"
S2: library part "DIP Switch 6Pos", "MULTICOMP  MCDHN-06F"
TP1 TP2 TP3 TP4 TP5 TP6 TP7 TP8 TP9 TP10 TP11 TP12 TP13 TP14 TP15 TP18 TP19 TP20 TP21: library part "Test Point", "Test Point"
U1: library part LD39200, "2 A high PSRR ultra low drop linear regulator with reverse current protection", Manufacturer=ST
U2: "Arm-based 32-bit MCU, up to 128 KB Flash, crystal-less USB FS 2.0, CAN, 12 timers, ADC, DAC & comm. interfaces, 2.0 - 3.6 V", Manufacturer=ST, Mouser No=511-STM32F072V8T6
U3: library part MCP2542WFD-E/SN, "CAN FD Transceiver with Wake-Up Pattern (WUP) Option"
X1: library part "Crystal C2.5x2 Seiko Epson FA-128", "Crystal C2.5x2 Seiko Epson FA-128"

## Free pads (board coordinates)
  round 3 hole 3.5: 0(3,3) 0(3,63) 0(117,3) 0(117,53)

## Via types
v1: diameter 0.6, hole 0.3, Top Layer to Bottom Layer, tented both sides, 166 vias

## Nets (pads, with @x,y where several pads share a name; then routed paths per layer and width w, separated by ;. In a path a pad name is that pad's centre, name@x,y a point inside that pad or via, vN(x,y) a via of type N, cw(c..) or ccw(c..) an arc to the next point about the centre after c; other vN are vias at no path point)
3v3: C3.2 C4.2 C14.2 C15.2 C16.2 C17.2 C18.2 C19.2 C21.2 J1.3 J8.2 R30.2 R31.2 R41.2 R42.2 S2.2 S2.4 S2.6 S2.8 S2.10 U2.6 U2.21 U2.28 U2.50 U2.75 U2.100 U3.5 | length 55.1
  Bottom Layer w0.25: C16.2@81.514,30.3 82.893,30.3 83.193,30 U2.28@86.05,30 ; v1(83.3,41.2) C17.2@83.3,40.5 83.8,40.5 84.3,41 U2.50@86.05,41 ; C4.2@88.9,23.5 88.9,25.3 89.6,26 U2.21@89.6,27.45 ; v1(96.9,25.714) 97.1,25.914 U2.6@97.1,27.45 ; U2.75@99.6,42.55 99.6,43.9 99.7,44 C14.2@99.7,44.5 ; C15.2@100.7,44.5 C15.2@100.704,44.496 ; U2.100@101.15,29 U2.100@101.175,28.975 ; U2.100@101.175,29 102.179,29 102.4,28.779 102.4,26.4 v1(101.3,25.3) C18.2@101.3,24.35 ; v1@101.396,44.496 v1(101.4,44.492)
  Bottom Layer w0.5: v1(15.3,33.6) R31.2@15.3,34.6 ; R41.2@34.4,15.3 v1(35.4,15.3) ; v1(36.6,50.7) R42.2@37.6,50.7 ; v1(75,57.7) C21.2@75.9,57.699 C21.2@75.9,57.699 75.9,58.399 76.201,58.7 77.5,58.7 77.8,59 77.8,59.3 77.501,59.599 76.279,59.599 U3.5@76.275,59.595 ; S2.2@78.908,15.227 78.908,14.817 79.325,14.4 80.178,14.4 ; S2.4@80.178,15.227 80.178,14.4 ; S2.6@81.448,15.227 v1(81.448,14.4) ; C16.2@81.514,30.3 C16.2@81.5,30.286 C19.2@81.5,31.3 81.514,31.314 v1(81.514,32.1) ; S2.8@82.718,15.227 82.718,14.4 ; S2.10@83.988,15.227 83.988,14.8 83.588,14.4 82.718,14.4 ; v1(87.9,24.3) C3.2@87.9,23.5 C4.2@88.9,23.5 ; J1.3@93.44,56.076 93.44,53.06 v1(93.5,53) ; J8.2@98,10 v1(100.5,10) ; C14.2@99.7,44.5 C15.2@100.7,44.5 ; v1(100.5,8.5) v1(100.5,10) ; v1(100.5,11.5) v1(100.5,10) ; C15.2@100.704,44.496 v1@101.396,44.496 ; R30.2@106,31.3 v1(106,32.4) ; 80.178,14.4 v1(81.448,14.4) ; v1(81.448,14.4) 82.718,14.4
3v3_ext: C13.2 J8.3 U1.1 U1.2 | length 8.3
  Bottom Layer w0.5: U1.2@89.55,10.001 92.999,10.001 94.4,8.6 J8.3@94.4,7.495 ; U1.1@89.55,10.951 91.149,10.951 91.3,10.8
3v3_RB: B1.1 B1.17 C6.2 J8.1 | length 101.5
  Top Layer w0.6: v1(34.4,33.3) 38.86,28.84 68.46,28.84 74.5,22.8 74.5,14.775 75.7,13.575 91.025,13.575 v1(92.1,12.5)
  Bottom Layer w0.5: B1.1@27.87,30.286 27.87,32.415 29.755,34.3 35.4,34.3 ; v1(34.4,33.3) C6.2@35.4,33.3 35.4,34.3 ; B1.17@48.19,30.286 48.19,32.41 46.3,34.3 35.4,34.3 ; v1(92.1,12.5) 92.119,12.519 94.379,12.519 J8.1@94.4,12.54
5V: C12.2 C20.2 J6.2 R28.2 R29.2 R38.2 R40.2 U1.5 U1.6 U3.3 | length 258.2
  Top Layer w0.6: v1(27.6,15.3) 24.1,15.3 11,28.4 11,37.1 v1(15.3,41.4) 18.51,41.4 32.11,55 40.1,55 v1(44.4,50.7) 44.4,48.602 50.602,42.4 66,42.4 68,44.4 68,53.5 71.4,56.9 83.05,56.9 ; v1(83.05,57.7) 83.05,56.9 ; v1(106,26.2) 109.5,29.7 109.5,35.8 107.7,37.6 100.3,37.6 95.375,42.525 95.375,46.575 85.05,56.9 83.05,56.9
  Bottom Layer w0.5: R29.2@15.3,40.43 v1(15.3,41.4) ; v1(27.6,15.3) R38.2@28.6,15.3 ; R40.2@43.405,50.705 R40.2@43.4,50.7 v1(44.4,50.7) ; U3.3@81.761,60.862 80.575,60.862 80.2,60.487 80.2,59.097 80.6,58.697 81.809,58.697 82.099,58.406 C20.2@82.1,57.7 ; C20.2@82.1,57.7 v1(83.05,57.7) ; 85.2,10.8 85.351,10.951 U1.6@86.85,10.951
  Bottom Layer w0.6: U1.5@86.85,10.001 J6.2@82.3,10.001 82.3,7.991 86.984,3.307 112.607,3.307 115,5.7 115,20.4 109.9,25.5 106.7,25.5 v1(106,26.2) R28.2@106,27.1
5V_ext: J6.3 J7.1 | length 5.7
  Bottom Layer w0.4: J6.3@78.7,7.461 80.5,7.461 81.8,6.161 J7.1@81.8,4.1
5V_RB: B1.2 B1.4 C5.1 J6.1 | length 71.8
  Top Layer w0.6: v1(30.41,22.7) 34.874,27.164 68.091,27.164 73,22.255 73,14.519 75.01,12.51 v1@76.51,12.51
  Bottom Layer w0.5: B1.2@27.87,25.714 27.9,25.684 27.9,23.3 28.5,22.7 v1(30.41,22.7) ; C5.1@30.41,21.4 v1(30.41,22.7) ; B1.4@30.41,25.714 v1(30.41,22.7) ; v1(76.5,12.5) 76.519,12.519 78.678,12.519 J6.1@78.7,12.541
  Bottom Layer w0.6: v1@75,12.519 v1@76.519,12.519
  other v1: 75,12.5
CAN_H: R25.1 R33.2 R37.2 R43.2 R44.2 TP21.1 U3.7 | length 75.9
  Top Layer w0.5: v1(81.7,56.1) 81.7,54.392 84.265,51.827 84.265,22.435 v1(91,15.7)
  Bottom Layer w0.5: R33.2@73.3,55.3 73.3,54.5 ; U3.7@76.311,62.134 73.901,62.134 73.536,62.499 TP21.1@73.536,63.394 72.294,63.394 71.9,63 71.9,58.999 69.1,56.199 R44.2@69.1,55.3 69.1,54.7 69.3,54.5 73.3,54.5 ; R43.2@77.5,55.3 77.5,54.5 ; R37.2@81.7,55.275 81.7,54.7 81.5,54.5 77.5,54.5 ; R37.2@81.7,55.3 v1(81.7,56.1) ; R25.1@90.2,15.7 v1(91,15.7) ; 73.3,54.5 77.5,54.5
CAN_L: R34.2 R39.2 R45.2 R46.2 S2.11 TP20.1 U3.6 | length 61.8
  Top Layer w0.5: v1(83.1,56.1) 83.1,54.492 85.15,52.442 85.15,23.049 v1(86.5,21.699)
  Bottom Layer w0.5: R46.2@70.5,55.3 70.575,55.3 70.5,55.375 70.5,56.2 71.1,56.8 73.536,56.8 ; R34.2@74.7,55.3 74.7,56.8 ; U3.6@76.311,60.864 73.936,60.864 73.536,60.464 TP20.1@73.536,59.599 73.536,56.8 ; R45.2@78.9,55.3 78.9,56.775 78.925,56.8 ; R39.2@83.1,55.3 v1(83.1,56.1) 83.1,56.393 82.693,56.8 78.925,56.8 ; S2.11@85.275,21.7 v1@86.499,21.7 ; 73.536,56.8 74.7,56.8 ; 74.7,56.8 78.925,56.8
CAN_RX: TP19.1 U2.70 U3.4 | length 26.5
  Top Layer w0.5: TP19.1@84.536,59.599 86.56,59.599 91.8,54.359 91.8,52.1 v1(91.5,51.8)
  Bottom Layer w0.25: U3.4@81.761,59.594 U3.4@81.764,59.596 ; TP19.1@84.534,59.596 TP19.1@84.536,59.599 ; v1(91.5,51.8) 91.5,51.077 97.1,45.477 U2.70@97.1,42.55
  Bottom Layer w0.5: U3.4@81.764,59.596 TP19.1@84.534,59.596
CAN_TX: TP18.1 U2.71 U3.1 | length 29.1
  Top Layer w0.5: TP18.1@84.536,63.374 84.736,63.374 92.7,55.41 92.7,52.1 v1(93,51.8)
  Bottom Layer w0.25: U3.1@81.761,63.404 U3.1@81.776,63.389 ; TP18.1@84.521,63.389 TP18.1@84.536,63.374 ; v1(93,51.8) 93,50.201 97.6,45.601 U2.71@97.6,42.55
  Bottom Layer w0.5: U3.1@81.776,63.389 TP18.1@84.521,63.389